# Altium PCB MB1404.PcbDoc (part 4 of 7) (continued)
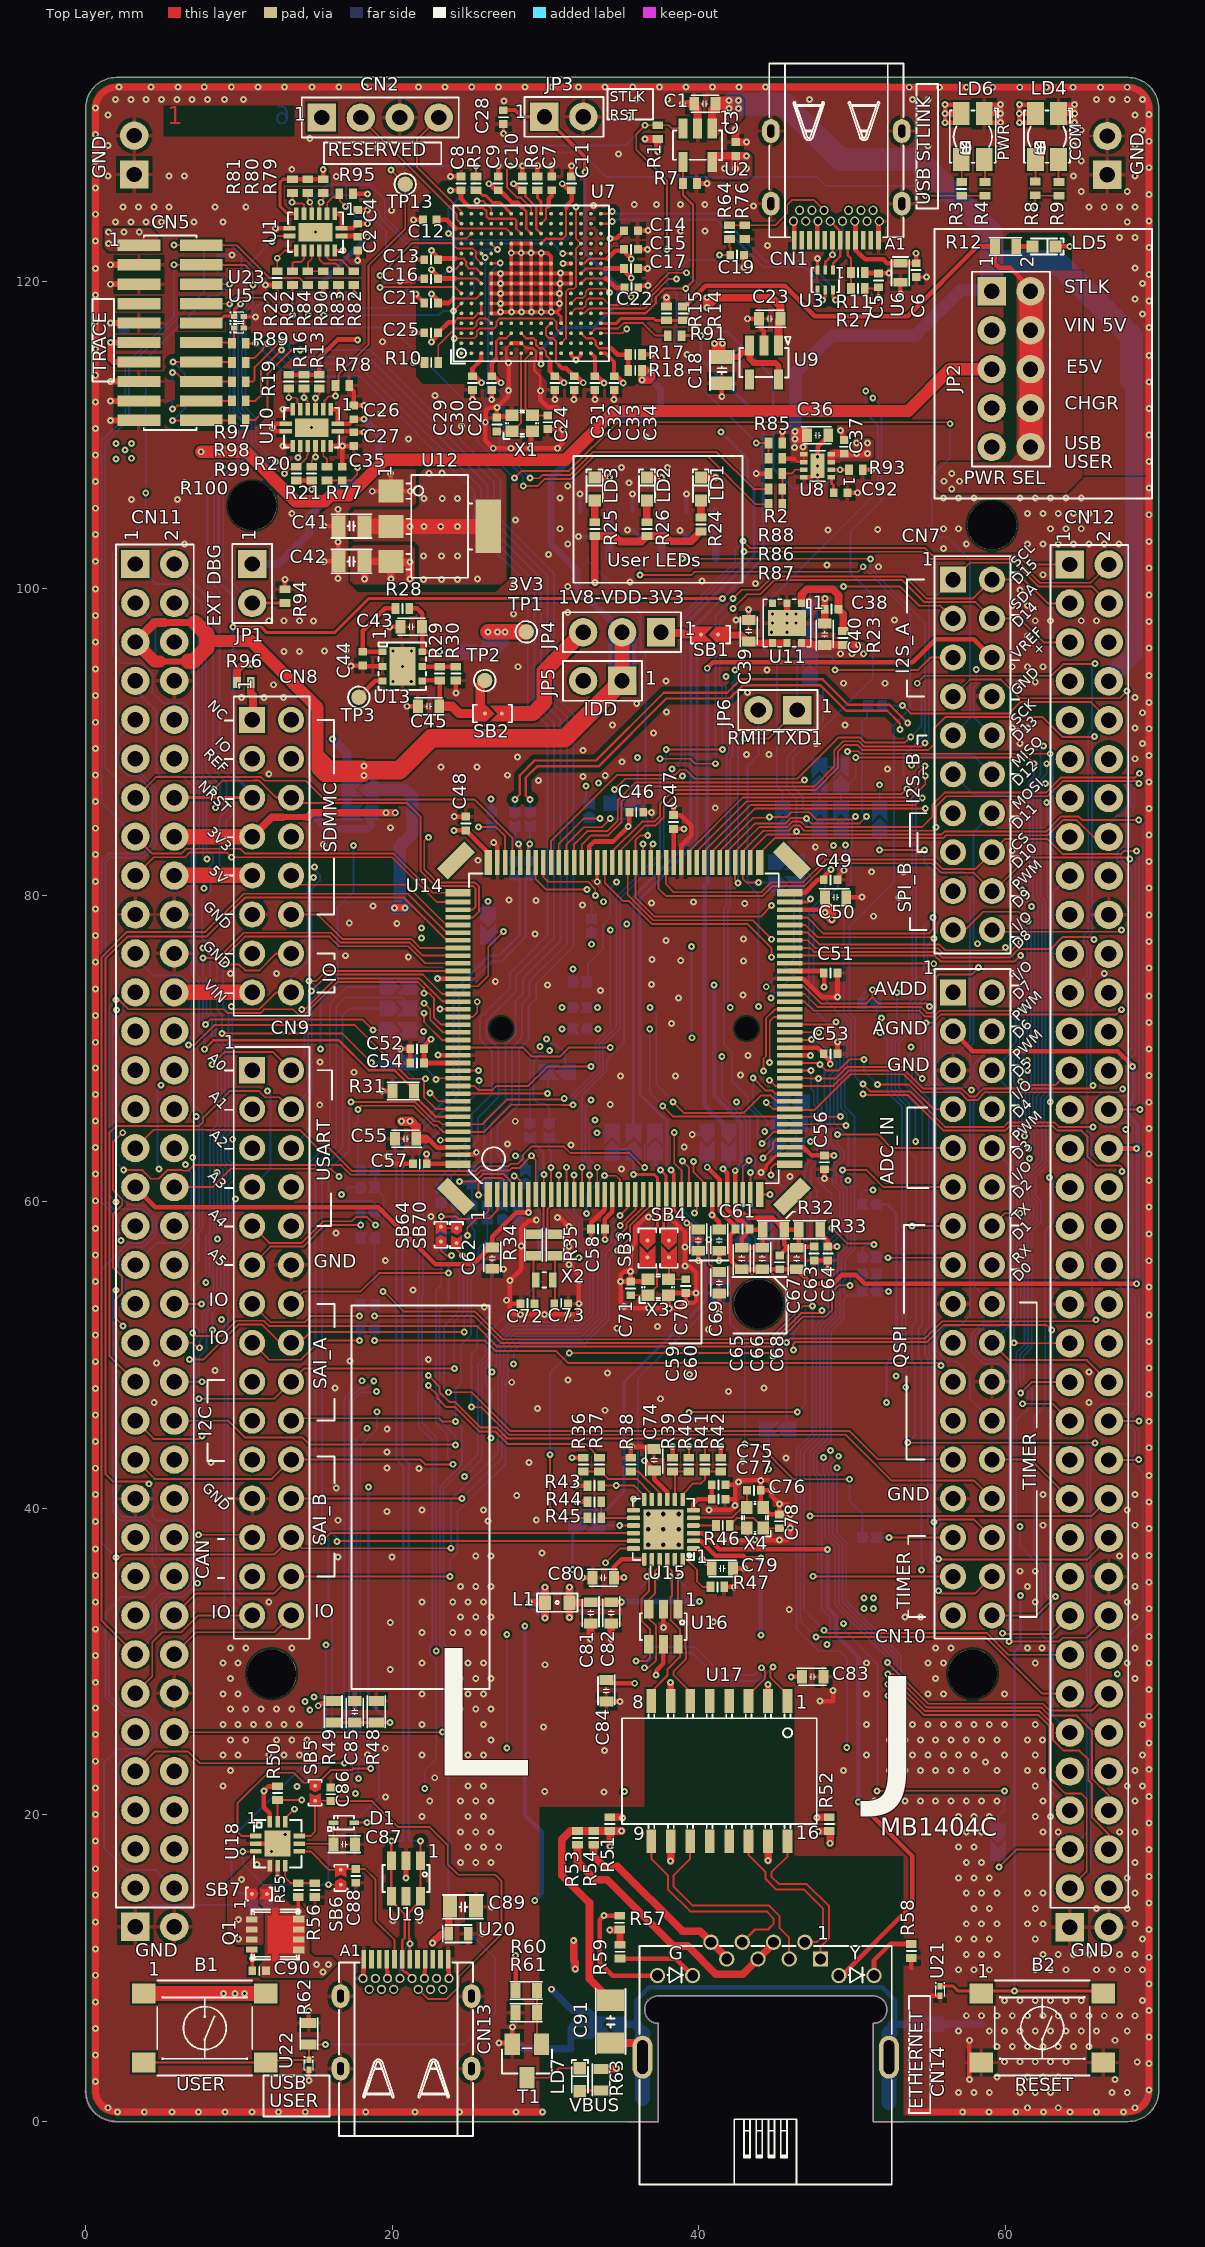
[diagram p0: Top Layer view]
## Nets (pads, with @x,y where several pads share a name; then routed paths per layer and width w, separated by ;. In a path a pad name is that pad's centre, name@x,y a point inside that pad or via, vN(x,y) a via of type N, cw(c..) or ccw(c..) an arc to the next point about the centre after c; other vN are vias at no path point) (continued)
  Bottom Layer w0.12: v1(42.453,66.52) 42.453,66.522 42.45,66.525 42.45,66.289 43.345,65.394 43.345,63.21 43.68,62.875 43.68,62.23 v1(43.366,61.916) 43.366,59.759 44.425,58.7 SB58.1@44.425,58.5
PA2: CN12.35 SB69.1 U14.36 | length 44.6
  Top Layer w0.127: U14.36@43.966,60.479 44.646,60.479 v1(44.65,60.475) ; v1@45.7,50.825 45.968,51.093 54.774,51.093 55.886,52.205 65.805,52.205 v1(65.9,52.3)
  Bottom Layer w0.127: v1(44.65,60.475) 45.2,59.925 45.2,55.504 46.277,54.427 46.277,51.923 45.725,51.371 v1(45.725,50.825) SB69.1@45.725,45.1 ; CN12.35@64.206,58.394 64.206,57.71 65.398,56.519 65.398,55.295 65.638,55.055 65.638,52.562 v1(65.9,52.3)
PA3: CN10.34 CN12.37 U14.37 | length 59.2
  Top Layer w0.12: v1(44.7,61.75) 44.7,62.2 44.954,62.454 U14.37@45.941,62.454 ; v1(46.177,50.327) 46.155,50.35 46.155,50.705 46.3,50.85 54.875,50.85 55.987,51.962 62.688,51.962 v1(63.025,51.625) ; CN10.34@59.126,33.019 62.044,33.019 v1(63.275,34.25)
  Bottom Layer w0.12: v1(44.7,61.75) 46.85,59.6 46.85,56.5 46.52,56.17 46.52,51.822 46.187,51.488 46.187,50.337 v1(46.177,50.327) ; v1(63.275,34.25) 63.025,34.5 v1(63.025,51.625) 63.025,54.673 CN12.37@64.206,55.854
PA4: CN11.32 SB56.2 U14.40 | length 60.4
  Top Layer w0.12: v1(44.2,62.85) 44.85,63.5 44.85,63.875 45.029,64.054 U14.40@45.941,64.054
  Signal Layer 2 w0.12: CN11.32@5.786,63.499 4.724,63.499 4.375,63.15 4.375,60.807 5.602,59.58 9.805,59.58 10.079,59.854 11.596,59.854 11.87,59.58 14.28,59.58 15.6,60.9 24.657,60.9 24.877,61.12 27.591,61.12 27.701,61.01 44.533,61.01 45.105,61.582 45.105,61.97 44.225,62.85 v1(44.2,62.85) 44.65,63.3 45.075,63.3 47.6,60.775 v1(51.375,60.775)
  Bottom Layer w0.12: SB56.2@50.6,59.825 50.6,60.505 50.87,60.775 v1(51.375,60.775)
PA5: CN7.10 CN12.11 SB51.1 U14.41 | length 62.1
  Top Layer w0.12: v1(44.125,63.8) 44.879,64.554 U14.41@45.941,64.554
  Signal Layer 2 w0.12: v1(41.775,94.275) 56.921,94.275 57.371,94.725 v1(58.1,94.725) ; CN7.10@59.126,90.423 62.657,90.423 CN12.11@64.206,88.874
  Bottom Layer w0.12: v1(41.775,94.275) 41.775,92.33 41.955,92.15 41.955,89.332 41.807,89.184 41.807,79.336 41.645,79.174 41.645,70.244 42.145,69.744 42.145,67.859 43.197,66.807 43.197,66.221 43.84,65.578 43.84,64.085 v1(44.125,63.8) 45.1,63.8 SB51.1@45.225,63.675 ; v1(58.1,94.725) 58.1,93.725 57.931,93.556 57.931,91.618 CN7.10@59.126,90.423
PA6: CN9.1 CN12.13 U14.42 | length 92.4
  Top Layer w0.12: U14.42@45.941,65.054 49.517,65.054 v1(49.595,64.976)
  Signal Layer 2 w0.12: CN9.1@10.866,68.579 12.242,69.955 v1(15.325,69.955) ; v1(17.475,83.25) 25.4,83.25 26.2,84.05 35.725,84.05 36.275,84.6 37.5,84.6 38.375,83.725 49.125,83.725 v1(49.575,83.275) 50.325,84.025 55.725,84.025 55.925,84.225 62.097,84.225 CN12.13@64.206,86.334
  Bottom Layer w0.12: v1(15.325,69.955) 15.325,73.075 16.425,74.175 16.425,79.175 17.475,80.225 v1(17.475,83.25) ; v1(49.575,83.275) 49.575,82.325 49.07,81.82 49.07,80.506 47.491,78.927 47.491,73.959 49.7,71.75 49.7,68.377 49.285,67.962 49.285,66.115 49.655,65.745 v1@49.655,64.976
PA7: CN12.15 SB38.1 U14.43 | length 57
  Top Layer w0.12: v1(37.65,66.25) 38.346,65.554 U14.43@45.941,65.554 45.945,65.55 v1(49.25,65.55)
  Signal Layer 2 w0.12: v1(33.425,71.275) v1(36.8,71.275) ; v1(48.8,83.25) 48.825,83.25 49.205,82.87 49.743,82.87 50.658,83.785 55.824,83.785 55.947,83.908 64.206,83.908 CN12.15@64.206,83.794
  Bottom Layer w0.12: SB38.1@32.699,71.276 v1@33.424,71.276 ; v1(36.8,71.275) 36.8,67.1 v1(37.65,66.25) ; v1(48.8,83.25) 48.22,82.67 48.22,79.995 47.2,78.975 47.2,72.86 49.46,70.6 49.46,68.476 49.045,68.061 49.045,65.755 v1(49.25,65.55)
PA8: CN12.23 U14.100 | length 66.8
  Top Layer w0.12: U14.100@30.366,82.129 30.366,83.541 34.655,87.83 38.432,87.83 38.782,88.18 39.14,88.18 39.73,87.59 46.42,87.59 46.495,87.665 46.495,87.668 49.107,90.28 50.537,90.28 50.869,89.948 53.448,89.948 v1(53.825,90.325) ; v1(54.25,93.825) 54.25,93.84 54.718,94.308 62.997,94.308 63.764,95.075 65.85,95.075 v1(65.85,95.1)
  Bottom Layer w0.12: v1(53.825,90.325) 54.521,91.021 54.521,93.554 v1(54.25,93.825) ; CN12.23@64.206,73.634 65.311,74.739 65.311,76.632 65.13,76.813 65.13,77.367 65.401,77.638 65.401,90.526 65.641,90.766 65.641,94.891 v1(65.85,95.1)
PA9: CN12.21 SB31.2 U14.101 | length 41.5
  Top Layer w0.12: U14.101@29.866,82.129 29.866,81.184 30.175,80.875 32.775,80.875 33.25,80.4 v1(33.25,79.97)
  Signal Layer 2 w0.12: v1(33.25,79.97) 33.255,79.975 35.141,79.975 36.766,81.6 47.311,81.6 48.351,80.56 55.32,80.56 56.128,81.368 59.584,81.368 60.231,80.721 60.231,80.149 CN12.21@64.206,76.174
  Bottom Layer w0.12: SB31.2@33,78.5 SB31.2@33,78.525 33,79.72 v1(33.25,79.97)
PA10: CN12.33 U14.102 | length 56.8
  Top Layer w0.12: U14.102@29.366,82.129 29.366,81.034 30.025,80.375 v1(32.7,80.375)
  Signal Layer 2 w0.12: v1(32.7,80.375) 35.125,80.375 36.59,81.84 47.41,81.84 48.45,80.8 55.221,80.8 56.029,81.608 59.683,81.608 60.471,80.82 60.471,80.248 61.465,79.254 v1(61.703,79.254) ; v1(61.578,62.828) 62.312,62.828 CN12.33@64.206,60.934
  Bottom Layer w0.12: v1(61.578,62.828) 61.901,63.151 61.901,64.566 61.56,64.907 61.56,67.083 61.901,67.424 61.901,79.025 61.676,79.25 61.699,79.25 v1(61.703,79.254)
PA11: SB21.2 SB27.1 U14.103 | length 3.8
  Top Layer w0.127: U14.103@28.866,82.129 28.866,83.216 28.975,83.325 v1(28.975,83.35)
  Bottom Layer w0.127: 28.975,84.624 28.975,82.525 29.25,82.25
PA12: SB22.2 SB28.1 U14.104 | length 3.7
  Top Layer w0.127: U14.104@28.366,82.129 v1@28.366,83.184
  Bottom Layer w0.127: 27.914,81.989 28.25,82.325 v1(28.25,83.35) ; SB22.2@28,84.425 28,83.582 28.225,83.357 v1@28.225,83.35
PA13: CN5.2 CN11.13 R84.2 U14.105 U24.5 | length 78.2
  Top Layer w0.12: CN11.13@3.246,86.359 4.594,87.707 10.887,87.707 10.89,87.711 11.426,87.711 11.673,87.464 14.35,87.464 15.57,86.244 25.357,86.244 27.845,83.755 27.845,82.15 U14.105@27.866,82.129 ; v1(5.775,122.4) CN5.2@7.546,122.4 ; CN5.2@8.775,122.4 9.85,122.4 12,120.25 13.955,120.25 14.405,119.8 R84.2@14.5,119.8
  Bottom Layer w0.12: CN11.13@3.246,86.359 1.286,88.319 1.286,109.511 2.825,111.05 2.825,114.475 7.725,119.375 7.725,122 7.5,122.225 7.475,122.225 7.3,122.4 U24.5@6.9,122.4 v1(5.775,122.4)
PA14: CN5.4 CN11.15 R83.2 U10.11 U14.109 U24.4 | length 91.8
  Top Layer w0.12: CN11.15@3.246,83.819 4.351,82.714 6.244,82.714 6.555,83.025 10.097,83.025 10.408,82.714 20.086,82.714 22.646,80.154 U14.109@24.291,80.154 ; v1(5.775,121.125) 7.541,121.125 CN5.4@7.546,121.13 ; CN5.4@8.825,121.1 10.4,121.1 10.9,120.6 10.9,119.81 v1(10.91,119.8) ; 14,108.725 U10.11@14,109.3 ; v1(16.5,119.175) R83.2@16.5,119.8
  Bottom Layer w0.12: CN11.15@3.246,83.819 1.046,86.019 1.046,109.646 2.585,111.185 2.585,114.585 5.775,117.775 5.775,118.725 ; v1(5.775,121.125) 6.9,121.125 U24.4@6.925,121.1 ; 5.78,118.725 5.78,121.08 v1@5.8,121.1 ; v1(13.85,108.55) 13.35,108.55 12.575,107.775 12.2,107.775 10.835,109.14 10.835,111.06 10.2,111.695 10.2,117.764 10.91,118.474 v1(10.91,119.8) 11.335,120.225 13.325,120.225 14.76,118.79 16.115,118.79 v1(16.5,119.175)
PA15: CN5.8 CN7.9 CN11.17 R92.2 U14.110 U24.1 | length 147.3
  Top Layer w0.12: CN11.17@3.246,81.279 4.441,82.474 6.483,82.474 6.795,82.785 9.215,82.785 v1(9.526,82.474) 19.987,82.474 22.907,79.554 U14.110@24.291,79.554 ; CN5.8@7.546,118.59 7.561,118.575 v1(9.4,118.575) 9.8,118.975 11.6,118.975 12.725,117.85 13.425,117.85 v1@13.45,117.825 ; v1@13.488,117.862 v1(13.5,117.85) R92.2@13.5,119.8 ; v1(27.975,107.2) 28.45,107.675 31.525,107.675 34.7,110.85 56.3,110.85 v1(56.4,110.75)
  Bottom Layer w0.12: U24.1@8.625,122.4 9.5,122.4 10.175,121.725 10.175,119.35 v1(9.4,118.575) 9.4,111.254 9.995,110.659 9.995,108.445 9.363,107.812 9.25,107.7 8.375,106.825 8.375,100.225 8.736,99.864 8.736,88.39 9.618,87.508 9.618,85.324 9.161,84.867 9.161,82.839 v1(9.526,82.474) ; v1(13.5,117.85) 14.325,117.025 19.95,117.025 20.325,116.65 25.55,111.425 25.55,109.625 v1(27.975,107.2) ; v1(56.4,110.75) 56.4,108.525 55.2,107.325 55.2,103.775 55.625,103.35 56.225,103.35 57.691,101.884 57.691,91.528 CN7.9@56.586,90.423
PB0: CN10.31 CN11.34 SB43.1 U14.46 | length 92.6
  Top Layer w0.12: CN11.34@5.786,60.959 8.284,60.959 9.479,62.154 16,62.154 16.529,61.625 v1(16.529,61.646) ; v1(43.55,68.075) 44.375,67.25 44.8,67.25 44.996,67.054 U14.46@45.941,67.054 ; v1(47.45,35.57) 47.468,35.552 56.579,35.552 CN10.31@56.586,35.559
  Signal Layer 2 w0.12: v1(16.529,61.646) 20.539,61.646 20.622,61.73 27.32,61.73 27.8,61.25 42.173,61.25 42.78,61.857 42.78,62.198 42.775,62.203 42.775,63.05 v1(44.3,64.575) 47.85,61.025 48.612,61.025 48.987,61.4 v1(49.725,61.4)
  Bottom Layer w0.12: v1(43.55,68.075) 43.55,66.208 44.5,65.258 44.5,65.075 ; v1(44.3,64.575) 44.3,64.875 44.5,65.075 ; SB43.1@45.4,65.075 44.5,65.075 ; v1(47.45,35.57) 47.45,35.575 47.755,35.88 47.755,41.99 47.482,42.262 47.482,43.6 48.385,44.502 48.385,51.642 49.202,52.459 49.202,54.923 49.31,55.031 49.31,56.396 49.67,56.756 49.67,56.76 49.91,57 49.91,61.19 49.725,61.375 v1(49.725,61.4)
PB1: CN9.7 CN12.24 U14.47 | length 73.1
  Top Layer w0.12: v1(44.602,67.927) 44.975,67.554 U14.47@45.941,67.554 48.783,67.554 49.789,68.56 53.473,68.56 54.649,67.384 57.143,67.384 57.658,66.869 58.054,66.869 58.569,67.384 65.509,67.384 65.7,67.575 v1(65.725,67.575)
  Signal Layer 2 w0.12: v1(11.875,67.225) 11.9,67.225 12.175,67.5 12.175,68.911 12.948,69.684 14.031,69.684 16.091,67.624 17.816,67.624 18.814,66.625 21.427,66.625 22.307,67.505 22.82,67.505 23.435,66.89 29.367,66.89 30.132,67.655 44.425,67.655 44.602,67.832 v1(44.602,67.927)
  Bottom Layer w0.12: CN9.7@10.866,60.959 10.87,60.959 12.061,62.15 12.061,67.039 v1(11.875,67.225) ; v1(65.725,67.575) 65.551,67.749 65.551,72.439 CN12.24@66.746,73.634
PB2: CN12.22 SB61.1 SB66.1 U14.48 | length 83.3
  Top Layer w0.12: v1(18.85,52.55) 25.337,52.55 27.099,50.788 44.725,50.788 46.677,52.74 47.884,52.74 v1(48.049,52.905) ; U14.48@45.941,68.054 47.25,68.054 ; 47.25,68.05 v1(47.8,68.05) 48.939,68.05 49.689,68.8 53.806,68.8 v1(54.578,68.028) ; v1(48.675,58.3) 49.7,57.275 51.4,57.275 51.428,57.247 v1(51.428,57.203) ; v1(54.83,71.675) 55.252,71.675 55.8,72.224 67.249,72.224 67.554,72.529 v1(67.578,72.529)
  Signal Layer 1 w0.12: v1@51.425,57.205 v1(51.428,57.203)
  Signal Layer 2 w0.12: CN12.22@66.746,76.174 67.851,75.069 67.851,72.758 67.621,72.529 v1(67.578,72.529)
  Bottom Layer w0.12: v1(18.85,52.55) SB66.1@18.85,53.3 ; v1(47.8,68.05) 47.725,68.05 47.74,68.035 47.74,66.473 48.013,66.2 48.013,64.754 48.39,64.377 48.39,62.315 47.795,61.72 47.795,61.357 48.675,60.477 v1(48.675,58.3) 48.14,57.765 48.14,56.202 47.78,55.842 47.78,55.308 48.049,55.039 v1(48.049,52.905) ; SB61.1@50.675,56.375 50.675,56.95 50.928,57.203 v1(51.428,57.203) ; v1(54.578,68.028) 54.578,69.151 54.995,69.569 54.995,71.51 v1(54.83,71.675)
PB3: CN12.31 SB33.1 SB39.2 U14.133 | length 61.9
  Top Layer w0.12: v1(22.85,67.975) 22.929,68.054 U14.133@24.291,68.054
  Signal Layer 2 w0.12: v1(22.045,71.1) 22.045,71.12 22.5,71.575 22.5,72.811 24.564,74.875 31.5,74.875 31.748,75.123 31.91,75.123 32.158,74.875 57.57,74.875 58.021,74.424 58.021,73.201 58.668,72.554 60.671,72.554 61.428,71.797 v1(61.428,69.203) ; v1(61.253,64.278) 61.322,64.278 62.126,63.474 CN12.31@64.206,63.474
  Bottom Layer w0.12: 21.225,71.3 21.825,71.3 22.079,71.046 22.079,68.821 22.85,68.05 v1(22.85,67.975) ; v1@31.775,75.175 31.8,75.15 SB33.1@31.8,74.325 ; v1(61.253,64.278) 61.08,64.451 61.08,67.334 61.421,67.675 61.421,68.002 61.045,68.378 61.045,68.718 61.428,69.101 v1(61.428,69.203)
  other v1: 31.8,75.175
PB4: CN7.19 CN12.27 U14.134 | length 61.7
  Top Layer w0.12: U14.134@24.291,67.554 25.35,67.554 25.61,67.294 26.544,67.294 26.8,67.55 ; 26.8,67.554 28.879,67.554 30.15,68.825 v1(32.975,68.825) ; CN7.19@56.586,77.723 57.348,77.723 58.543,78.918 60.857,78.918 v1(61.475,78.3) ; v1(61,67.85) 61.226,67.624 63.276,67.624 CN12.27@64.206,68.554
  Signal Layer 2 w0.12: v1(34.227,77.723) 35.368,77.723 35.386,77.705 56.568,77.705 CN7.19@56.586,77.723
  Bottom Layer w0.12: v1(32.975,68.825) 33,68.825 33.275,69.1 33.275,70.4 34.227,71.352 v1(34.227,77.723) ; v1(61,67.85) 60.805,68.045 60.805,69.153 61.661,70.009 61.661,78.1 61.4,78.361 61.4,78.375 v1(61.475,78.3)
PB5: CN12.29 SB17.1 SB41.2 U14.135 | length 69.1
  Top Layer w0.12: U14.135@24.291,67.054 30.121,67.054 30.125,67.05 v1(30.125,67.075) ; v1(51.8,82.95) v1(54.725,82.95)
  Signal Layer 2 w0.12: v1(30.125,67.075) 30.465,67.415 47.743,67.415 49.201,68.873 54.729,68.873 56.187,67.415 57.685,67.415 v1(57.8,67.3) 57.915,67.415 59.652,67.415 60.327,66.74 62.592,66.74 62.757,66.905 63.093,66.905 63.984,66.014 CN12.29@64.206,66.014
  Bottom Layer w0.12: v1(30.125,67.075) 30.175,67.125 SB41.2@30.175,68.475 ; v1(51.8,82.95) SB17.1@51.8,84.45 ; v1(54.725,82.95) 54.725,82.125 55.35,81.5 57.266,81.5 57.691,81.075 57.691,79.25 57.695,79.246 57.695,78.99 57.691,78.986 57.691,70.516 56.859,69.684 56.128,69.684 55.481,69.037 55.481,68.121 56.128,67.474 57.626,67.474 v1(57.8,67.3)
PB6: CN12.17 SB14.2 SB15.2 U14.136 | length 84.6
  Top Layer w0.12: v1(22.475,67.1) 23.021,66.554 U14.136@24.291,66.554 ; v1(49.702,89.379) 49.716,89.393 50.406,89.393 50.571,89.228 62.922,89.228 v1(62.925,89.225)
  Signal Layer 2 w0.12: v1(22.475,67.1) 22.475,67.075 22.9,66.65 30.35,66.65 30.875,67.175 47.842,67.175 49.301,68.633 54.629,68.633 56.088,67.175 57.013,67.175 57.559,66.629 58.153,66.629 58.699,67.175 59.553,67.175 60.228,66.5 v1(62.925,66.5)
  Bottom Layer w0.12: SB15.2@47.875,88.35 SB14.2@49.275,88.35 49.725,88.8 49.725,89.357 v1(49.702,89.379) ; v1(62.925,66.5) 63.101,66.676 63.101,80.149 CN12.17@64.206,81.254 63.101,82.359 63.101,89.049 v1(62.925,89.225)
PB7: CN11.21 SB40.2 SB63.1 U14.137 | length 99.2
  Top Layer w0.12: v1(6.7,70.225) 7.1,70.225 8.4,71.525 17.575,71.525 21.075,68.025 v1@22.1,68.025 ; v1(6.991,51.429) 7.187,51.232 8.832,51.232 9.834,52.234 11.632,52.234 11.962,51.904 25.507,51.904 26.862,50.548 44.825,50.548 46.776,52.5 48.25,52.5 48.7,52.95 48.7,54.125 49.125,54.55 v1(49.875,54.55) ; v1(22.175,68.025) v1@22.1,68.025 ; U14.137@24.291,66.054 22.848,66.054 22.07,66.832 22.07,67.995 v1@22.1,68.025
  Bottom Layer w0.12: CN11.21@3.246,76.199 3.246,75.92 4.402,74.764 6.244,74.764 6.891,74.117 6.891,70.416 v1(6.7,70.225) 6.891,70.034 6.891,66.497 7.636,65.752 7.636,58.261 7.371,57.996 7.371,56.171 6.891,55.691 6.891,51.528 v1(6.991,51.429) ; SB40.2@21,69.075 21,68.45 21.425,68.025 v1(22.175,68.025) ; v1(49.875,54.55) 49.875,55 50.15,55.275 SB63.1@50.675,55.275
PB8: CN7.2 CN12.3 SB57.1 U14.139 | length 89.9
  Top Layer w0.12: v1(17.325,66.5) 21.511,66.5 22.755,65.255 23.048,65.255 23.25,65.054 U14.139@24.291,65.054 25.879,65.054 27.495,66.67 31.17,66.67 v1(31.225,66.725) ; v1(37.475,88.9) 39.438,88.9 39.763,88.575 v1(41.1,88.575) ; v1(42.225,99.35) 42.795,99.92 43.956,99.92 44.826,100.79 53.42,100.79 54.85,99.36 57.903,99.36 CN7.2@59.126,100.583 61.212,100.583 62.761,99.034 CN12.3@64.206,99.034
  Bottom Layer w0.12: v1(17.325,66.5) 17.195,66.37 17.195,63.374 15.845,62.024 15.845,60.38 16.175,60.05 18.675,60.05 18.85,59.875 SB57.1@18.85,59.35 ; v1(31.225,66.725) 31.5,66.725 33.515,68.74 33.515,70.301 34.632,71.418 34.632,79.882 37.475,82.725 v1(37.475,88.9) ; v1(41.1,88.575) 41.1,98.225 v1(42.225,99.35)
PB9: CN7.4 CN12.5 SB52.1 U14.140 | length 83.2
  Top Layer w0.12: v1(17.775,66.025) 17.775,66.05 17.985,66.26 21.411,66.26 22.698,64.973 ; 22.7,64.975 22.904,64.975 23.325,64.554 U14.140@24.291,64.554 26.004,64.554 27.775,66.325 31.052,66.325 31.057,66.32 31.795,66.32 v1(31.8,66.325) ; v1(37.875,89.5) v1(41.55,89.5) ; v1(42.225,98.7) 43.15,99.625 44,99.625 44.925,100.55 53.275,100.55 54.705,99.12 58.049,99.12 CN7.4@59.126,98.043
  Top Layer w0.127: CN7.4@59.126,98.043 60.952,98.043 62.501,96.494 CN12.5@64.206,96.494
  Bottom Layer w0.12: v1(17.775,66.025) 17.775,65.248 17.595,65.068 17.595,64.655 17.775,64.475 17.775,62.225 SB52.1@17.95,62.05 ; v1(31.8,66.325) 31.8,66.686 33.755,68.641 33.755,70.201 34.872,71.318 34.872,79.783 37.715,82.626 37.715,88.567 37.88,88.732 37.88,89.211 37.875,89.216 v1(37.875,89.5) ; v1(41.55,89.5) 41.535,89.515 41.535,93.597 41.37,93.762 41.37,97.845 v1(42.225,98.7)
PB10: CN10.32 CN12.25 U14.69 | length 75.1
  Top Layer w0.12: U14.69@45.941,78.554 47.071,78.554 48.135,77.49 54.99,77.49 55.275,77.775 v1(55.275,78.554) ; 55.796,34.454 58.021,34.454 CN10.32@59.126,35.559
  Signal Layer 2 w0.12: v1(55.275,78.554) 55.515,78.554 56.029,79.068 57.143,79.068 57.458,78.753 58.268,78.753 58.343,78.828 59.584,78.828 60.595,77.817 60.595,76.732 60.832,76.495 61.905,76.495 63.101,75.299 63.101,72.199 CN12.25@64.206,71.094
  Bottom Layer w0.12: v1(55.275,78.554) 54.68,77.959 54.68,73.267 54.185,72.772 54.185,70.852 54.515,70.522 54.515,69.768 53.91,69.162 53.91,67.784 55.001,66.693 55.001,51.795 54.761,51.555 54.761,49.971 54.945,49.787 54.945,38.932 55.185,38.692 55.185,36.567 55.481,36.271 55.481,34.769 v1(55.625,34.625)
PB12: CN7.7 CN12.16 U14.73 | length 47.3
  Top Layer w0.12: U14.73@43.966,82.129 43.966,82.741 44.95,83.725 55.945,83.725 56.128,83.908 62.757,83.908 63.748,84.899 64.664,84.899 65.769,83.794 CN12.16@66.746,83.794 ; CN7.7@56.586,92.963 57.691,94.068 59.707,94.068 60.926,92.849 67.474,92.849 67.925,93.3 v1(67.925,93.325)
  Bottom Layer w0.12: CN12.16@66.746,83.794 66.746,84.671 67.925,85.85 v1(67.925,93.325)
PB13: CN12.30 SB12.1 SB29.1 U14.74 | length 62.9
  Top Layer w0.12: U14.74@43.366,82.129 43.366,82.858 44.473,83.965 46.2,83.965 46.375,84.14 v1(46.375,84.15) 46.56,83.965 55.846,83.965 56.029,84.148 62.658,84.148 63.649,85.139 64.763,85.139 65.003,84.899 v1(68.7,84.9) v1(68.7,84.9) ; CN12.30@66.746,66.014 66.757,66.025 v1(68.775,66.025)
  Bottom Layer w0.12: SB29.1@45.225,82.15 45.225,83.005 45.395,83.175 46.025,83.175 46.375,83.525 v1(46.375,84.15) 46.375,86.25 45.741,86.884 45.741,88.991 48.1,91.35 48.1,93.475 47.3,94.275 ; v1(68.7,84.9) 68.961,84.639 68.961,66.211 v1(68.775,66.025)
PB14: CN12.28 SB30.1 U14.75 | length 53.6
  Top Layer w0.12: v1(43.9,80.825) 43.098,80.825 42.866,81.057 U14.75@42.866,82.129 42.866,82.858 44.213,84.205 45.857,84.205 46.207,84.555 46.543,84.555 46.893,84.205 55.255,84.205 v1(55.481,84.431) 55.481,85.801 56.128,86.448 62.748,86.448 63.739,87.439 68.686,87.439 68.85,87.275 68.708,87.275 v1(68.703,87.279)
  Bottom Layer w0.12: v1(43.9,80.825) 45.089,80.825 45.189,80.725 SB30.1@45.225,80.725 ; CN12.28@66.746,68.554 68.241,70.049 68.241,81.661 67.515,82.387 67.515,82.661 68.091,83.237 68.091,85.337 68.405,85.651 68.405,86.981 v1(68.703,87.279)
PB15: CN12.26 JP6.1 SB10.1 U14.76 | length 69.3
  Top Layer w0.12: U14.76@42.366,82.863 43.948,84.445 45.758,84.445 46.108,84.795 46.642,84.795 46.992,84.445 54.569,84.445 55.241,85.117 55.241,85.9 56.029,86.688 62.648,86.688 63.639,87.679 68.479,87.679 v1(68.75,87.95)
  Top Layer w0.127: U14.76@42.366,82.863 U14.76@42.366,82.129 42.366,80.984 v1(42.55,80.8) ; v1(42.975,90.225) 44.577,90.225 JP6.1@46.426,92.074
  Bottom Layer w0.12: JP6.1@46.426,92.074 46.426,96.476 46.85,96.9 46.85,97.1 SB10.1@47.25,97.5 ; CN12.26@66.746,71.094 68.001,72.349 68.001,81.562 67.275,82.288 67.275,82.76 67.851,83.336 67.851,85.437 68.165,85.751 68.165,87.365 v1(68.75,87.95)
  Bottom Layer w0.127: v1(42.55,80.8) 42.55,89.8 v1(42.975,90.225)
PC0: CN9.3 CN11.38 U14.26 | length 49
  Top Layer w0.12: v1(38.4,64.525) 38.4,62.525 38.866,62.059 U14.26@38.866,60.479
  Signal Layer 2 w0.12: v1(7.216,65.554) 7.701,66.039 CN9.3@10.866,66.039 11.843,66.039 12.948,67.144 15.471,67.144 16.014,66.6 16.014,66.1 17.849,64.265 22.085,64.265 22.835,63.515 24.058,63.515 25.146,64.604 ; 25.15,64.6 25.289,64.739 33.017,64.739 33.182,64.904 33.571,64.904 33.95,64.525 v1(38.4,64.525)
  Bottom Layer w0.12: CN11.38@5.786,55.879 5.786,56.511 7.131,57.856 7.131,58.115 7.396,58.38 7.396,65.374 v1(7.216,65.554)
PC1: CN11.36 SB62.2 U14.27 | length 48.5
  Top Layer w0.12: v1(38.925,62.65) 39.366,62.209 U14.27@39.366,60.479
  Signal Layer 2 w0.12: v1(6.516,62.429) 6.591,62.429 6.626,62.394 11.632,62.394 11.92,62.105 29.405,62.105 29.946,62.646 31.198,62.646 31.207,62.655 33.543,62.655 33.548,62.65 v1(38.925,62.65)
  Bottom Layer w0.12: CN11.36@5.786,58.419 6.891,59.524 6.891,61.887 6.516,62.262 v1(6.516,62.429) ; v1(38.925,62.65) 38.925,59.5 40.075,58.35 40.075,57.375 40.875,56.575 40.875,55.075 41.2,55.075 SB62.2@41.225,55.1
PC2: CN11.35 SB53.1 U14.28 | length 42.5
  Top Layer w0.12: v1(39.725,59.275) 39.866,59.416 U14.28@39.866,60.479
  Signal Layer 2 w0.12: CN11.35@3.246,58.419 4.351,57.314 6.9,57.314 7.353,56.862 9.15,56.862 9.529,57.24 14.025,57.24 14.7,57.915 14.7,58.471 v1(16.704,60.475) 24.572,60.475 24.977,60.88 27.491,60.88 27.698,60.673 38.327,60.673 v1(39.725,59.275)
  Bottom Layer w0.12: v1(16.704,60.475) 17.179,60.95 SB53.1@17.95,60.95
PC3: CN9.5 CN11.37 U14.29 | length 45.9
  Top Layer w0.12: v1(39.65,62.625) 39.65,61.95 40.366,61.234 U14.29@40.366,60.479
  Signal Layer 2 w0.12: v1(6.991,62.879) 10.246,62.879 CN9.5@10.866,63.499 12.02,62.345 28.4,62.345 28.625,62.57 29.531,62.57 30.016,63.055 39.22,63.055 v1(39.65,62.625)
  Bottom Layer w0.12: CN11.37@3.246,55.879 4.681,57.314 6.244,57.314 6.891,57.961 ; 6.891,57.955 6.891,57.961 ; v1(6.991,62.879) 6.991,62.127 7.141,61.977 7.141,58.494 6.891,58.244 6.891,57.961
PC4: CN12.34 SB42.2 U14.44 | length 34
  Top Layer w0.12: v1(44.4,66.475) 44.821,66.054 U14.44@45.941,66.054 45.941,65.995 47.563,65.995 49.888,68.32 53.374,68.32 54.55,67.144 57.044,67.144 57.559,66.629 58.153,66.629 58.668,67.144 67.444,67.144 v1(67.653,67.353)
  Signal Layer 2 w0.12: CN12.34@66.746,60.934 66.746,61.911 67.851,63.016 67.851,64.151 67.445,64.557 67.445,64.893 68.13,65.578 68.13,66.877 v1(67.653,67.353)
  Bottom Layer w0.12: v1(44.4,66.475) SB42.2@45.45,66.475
PC5: CN12.6 SB36.2 U14.45 | length 73.1
  Top Layer w0.12: v1(38.327,66.503) 39.03,65.8 42.925,65.8 44.05,66.925 44.7,66.925 45.071,66.554 U14.45@45.941,66.554
  Signal Layer 2 w0.12: v1(33.4,72.675) v1(36.825,72.675) v1(42.05,72.675) ; v1(42.35,94.68) 42.82,95.15 53.7,95.15 55.15,96.6 ; 55.15,96.608 60.112,96.608 60.749,95.971 62.656,95.971 63.327,95.3 65.477,95.3 66.671,96.494 CN12.6@66.746,96.494
  Bottom Layer w0.12: SB36.2@32.775,72.675 v1(33.4,72.675) ; v1(36.825,72.675) 37.225,72.275 37.225,67.65 38.327,66.548 v1(38.327,66.503) ; v1(42.05,72.675) 41.885,72.84 41.885,79.075 42.047,79.237 42.047,88.925 42.195,89.073 42.195,93.875 42.35,94.03 v1(42.35,94.68)
PC6: CN7.1 CN12.4 U14.96 | length 51.1
  Top Layer w0.12: U14.96@32.366,82.129 32.366,83.291 32.975,83.9 34.1,83.9 34.95,84.75 34.95,86.1 35.94,87.09 47.526,87.09 48.835,88.399 48.835,89.449 49.426,90.04 50.437,90.04 50.769,89.708 54.533,89.708 v1(54.75,89.925) ; CN7.1@56.564,100.605 CN7.1@56.586,100.583 57.691,101.688 60.607,101.688 62.156,100.139 65.641,100.139 CN12.4@66.746,99.034
  Bottom Layer w0.12: v1(54.75,89.925) 55.001,90.176 55.001,98.998 55.796,99.793 56.553,100.55 CN7.1@56.6,100.55
PC7: CN7.11 CN12.19 U14.97 | length 43.4
  Top Layer w0.12: U14.97@31.866,82.129 31.866,83.316 32.725,84.175 34.036,84.175 34.71,84.849 34.71,85.764 34.71,86.199 35.861,87.35 46.665,87.35 46.815,87.5 v1(46.9,87.5)
  Signal Layer 2 w0.12: v1(46.9,87.5) 47.2,87.8 53.75,87.8 54.205,87.345 56.048,87.345 CN7.11@56.586,87.883 ; v1(61.1,80.35) 62.57,80.35 CN12.19@64.206,78.714
  Bottom Layer w0.12: CN7.11@56.586,87.883 57.919,86.55 60.025,86.55 61.1,85.475 v1(61.1,80.35)
PC8: CN8.2 SB19.2 U14.98 | length 33.7
  Top Layer w0.12: U14.98@31.366,82.129 31.366,83.291 32.5,84.425 33.675,84.425 34.225,84.975 v1(34.225,85)
  Signal Layer 2 w0.12: CN8.2@13.575,91.325 13.689,91.439 20.545,91.439 22.034,89.95 35.025,89.95 v1(36,88.975) v1@36.075,88.975
  Bottom Layer w0.12: v1(34.225,85) 34.25,84.975 35.3,84.975 35.6,85.275 35.6,85.975 35.575,86 35.575,86.9 36,87.325 v1(36,88.975)
PC9: CN8.4 SB20.1 U14.99 | length 27.3
  Top Layer w0.12: U14.99@30.866,82.129 30.866,83.366 32.5,85 v1(33.55,85)
  Signal Layer 2 w0.12: CN8.4@13.406,88.899 15.25,88.899 16.999,87.15 24.652,87.15 26.802,85 v1(33.55,85)
  Bottom Layer w0.12: 32.65,85 v1(33.55,85)
PC10: CN8.6 CN11.1 U14.111 | length 42.6
  Top Layer w0.12: v1(8.366,86.904) 8.929,87.467 10.991,87.467
  Top Layer w0.127: 10.991,87.467 11.325,87.467 12.434,86.359 CN8.6@13.406,86.359 13.765,86 20.975,86 21.85,85.125 21.85,81.575 22.838,80.587 25.288,80.587 25.425,80.45 25.425,79.225 25.254,79.054 U14.111@24.291,79.054
  Bottom Layer w0.12: 6.316,100.304 7.611,99.009 7.611,87.853 8.366,87.098 v1(8.366,86.904)
  Bottom Layer w0.127: CN11.1@3.246,101.599 4.541,100.304 6.316,100.304
PC11: CN8.8 CN11.2 U14.112 | length 42.3
  Top Layer w0.12: v1(22.375,83.775) 22.375,83.825 22.093,83.544 22.093,81.676 22.938,80.831 25.388,80.831 25.669,80.551 25.669,78.943 25.279,78.554 U14.112@24.291,78.554
  Top Layer w0.127: CN8.8@13.406,83.819 CN8.8@14.206,83.819
  Signal Layer 2 w0.12: CN8.8@13.406,83.819 13.45,83.775 v1(22.375,83.775)
  Signal Layer 2 w0.127: v1(8.466,85.704) 9.159,85.01 12.214,85.01 CN8.8@13.406,83.819
  Bottom Layer w0.127: CN11.2@5.786,101.599 7.854,99.53 7.854,88.079 8.775,87.159 8.775,85.987 8.466,85.679 v1(8.466,85.704)
PC12: CN8.10 CN11.3 U14.113 | length 38
  Top Layer w0.12: CN8.10@13.406,81.279 14.01,80.675 20.9,80.675 23.521,78.054 U14.113@24.291,78.054
  Signal Layer 2 w0.12: v1(7.916,82.354) 8.295,81.975 9.85,81.975 10.259,82.384 12.301,82.384 CN8.10@13.406,81.279
  Bottom Layer w0.12: 4.551,97.754 4.551,95.569 4.941,95.179 6.416,95.179 7.131,94.464 7.131,87.654 7.653,87.132 7.653,82.617 v1(7.916,82.354)
  Bottom Layer w0.127: CN11.3@3.246,99.059 4.551,97.754
PC13: CN11.23 SB54.1 U14.7 | length 48.2
  Top Layer w0.12: v1(2.486,62.064) 3.704,62.064 4.268,61.5 4.764,61.5 5.328,62.064 6.308,62.064 6.348,62.024 6.684,62.024 7.054,62.394 16.662,62.394 17.294,61.761 23.551,61.761 23.7,61.761 25.526,61.761 25.814,62.05 27.65,62.05 27.8,62.2 28.285,62.2 29.085,63 v1(29.1,63) 29.366,62.734 U14.7@29.366,60.479
  Bottom Layer w0.12: v1(2.486,62.064) 2.02,62.53 2.02,71.922 2.43,72.332 2.43,72.843 CN11.23@3.246,73.659 ; v1(29.1,63) 29.505,62.595 29.505,59.42 29.805,59.12 29.805,58.055 SB54.1@29.8,58.05